# Altium PCB PexCardVer0.1.PcbDoc (part 2 of 3)
Units mil, origin at the board's own origin, x right, y up, seen from the top; angles counter-clockwise.
Board outline 5943.76 x 1774.48 mil, 4 copper layers (Top Layer, Layer 1, Layer 2, Bottom Layer), stack 62.337 mil thick; 70 components, 137 nets, 677 pads, 468 vias.
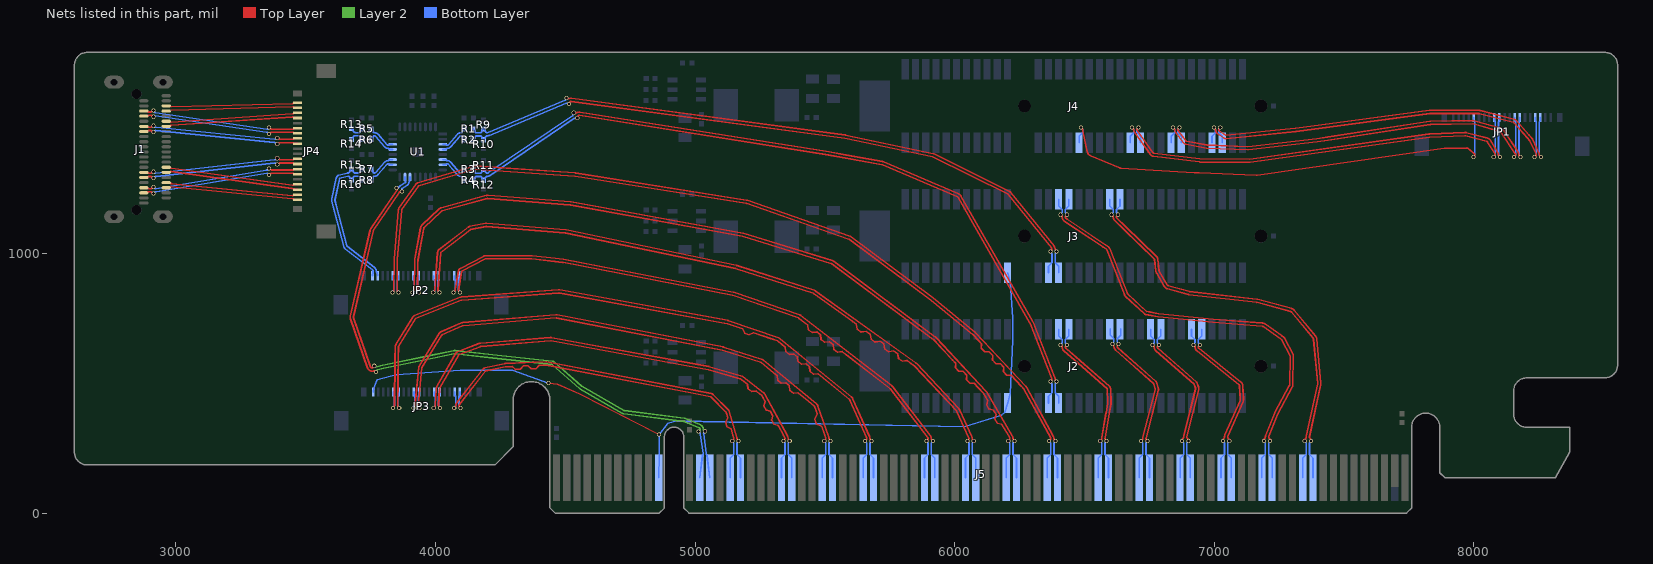
[diagram p4: the nets of this part, all layers, seen from the top]

## Via types
v1: diameter 15.75, hole 11.81, Top Layer to Bottom Layer, tented both sides, 468 vias

## Nets (pads, with @x,y where several pads share a name; then routed paths per layer and width w, separated by ;. In a path a pad name is that pad's centre, name@x,y a point inside that pad or via, vN(x,y) a via of type N, cw(c..) or ccw(c..) an arc to the next point about the centre after c; other vN are vias at no path point) (continued)
NVME_TX0_P: J4.A16 JP1.16 | length 1862.2
  Top Layer w6.38: v1(6486.64,1485.68) 6490.79,1481.5 cw(c6486.27,1477) 6492.65,1477 ccw(c6511.41,1477) 6493.09,1472.96 6511.28,1390.52 ccw(c6529.6,1394.56) 6522.3,1377.28 6634.21,1330 ccw(c6641.47,1347.3) 6640.26,1328.58 6640.32,1328.58 ; 6640.35,1328.58 6923.24,1311.55 ; 6923.29,1311.54 ccw(c6923.99,1323.9) 6923.44,1311.54 6942.42,1310.69 7162.12,1300.91 ccw(c7162.91,1319.65) 7165.6,1301.09 7885.97,1405.37 ; 7885.98,1405.37 7972.4,1406.25 cw(c7972.47,1399.87) 7976.5,1404.82 8001.09,1384.58 cw(c7997.01,1379.68) 8001.53,1375.18 v1(7997.37,1371)
  Bottom Layer w6.38: J4.A16@6479.16,1426.27 6479.16,1451.86 6492.65,1465.35 6492.65,1477.26 6486.64,1483.27 v1(6486.64,1485.68) ; v1(7997.37,1371) 7997.37,1373.41 8003.39,1379.42 8003.39,1507.06 7999.73,1510.7 JP1.16@7999.73,1523.5
NVME_TX1_N: J4.A22 JP1.11 | length 1733.1
  Top Layer w6.38: v1(6707.9,1485.68) 6703.74,1481.5 ccw(c6708.26,1477) 6703.06,1473.31 6762.58,1389.28 ccw(c6767.78,1392.96) 6766.98,1386.64 6943.67,1365.04 ccw(c6944.42,1371.38) 6944.34,1365 7135.82,1363.26 ccw(c7135.86,1369.64) 7136.75,1363.33 7827.06,1460.22 cw(c7829.66,1441.64) 7828.57,1460.37 cw(c7829.34,1448.01) 7828.8,1460.38 7964.54,1466.32 cw(c7965.36,1447.58) 7969.86,1465.79 cw(c7966.92,1453.76) 7970.03,1465.74 8051.21,1444.71 cw(c8046.45,1426.56) 8062.24,1436.7 cw(c8051.84,1429.98) 8062.34,1436.54 8091.62,1389.67 8091.65,1389.62 cw(c8075.74,1379.68) 8094.51,1379.68 ccw(c8100.89,1379.68) 8096.36,1375.18 v1(8100.52,1371)
  Bottom Layer w6.38: v1(6707.9,1485.68) 6707.9,1483.27 6701.88,1477.26 6701.88,1465.35 6715.38,1451.86 J4.A22@6715.38,1426.27 ; JP1.11@8098.15,1523.5 8098.15,1510.7 8094.51,1507.06 8094.51,1379.42 8100.52,1373.41 v1(8100.52,1371)
NVME_TX1_P: J4.A21 JP1.12 | length 1733.1
  Top Layer w6.38: v1(6683.49,1485.68) 6687.64,1481.5 cw(c6683.12,1477) 6689.5,1477 ccw(c6708.26,1477) 6692.95,1466.16 6752.47,1382.12 ccw(c6767.78,1392.96) 6765.48,1374.35 6942.19,1352.75 ccw(c6944.42,1371.38) 6944.25,1352.62 7135.72,1350.88 ; 7135.73,1350.88 ccw(c7135.86,1369.64) 7138.47,1351.07 7828.78,1447.96 cw(c7829.66,1441.64) 7829.34,1448.01 7965.08,1453.95 cw(c7965.36,1447.58) 7966.92,1453.76 8048.05,1432.74 cw(c8046.45,1426.56) 8051.84,1429.98 8081.13,1383.09 ; v1(8076.11,1371) 8080.27,1375.18 ccw(c8075.74,1379.68) 8081.16,1383.06
  Bottom Layer w6.38: J4.A21@6676.01,1426.27 6676.01,1451.86 6689.5,1465.35 6689.5,1477.26 6683.49,1483.27 v1(6683.49,1485.68) ; v1(8076.11,1371) 8076.11,1373.41 8082.12,1379.42 8082.12,1507.06 8078.48,1510.7 JP1.12@8078.48,1523.5
NVME_TX2_N: J4.A26 JP1.7 | length 1650.5
  Top Layer w6.38: v1(6865.38,1485.68) 6861.22,1481.5 ccw(c6865.74,1477) 6860.67,1473.13 6889.77,1435.03 ccw(c6894.84,1438.9) 6893.65,1432.63 6971.93,1417.95 7128.92,1411.69 7394.95,1442.28 7436.21,1448.63 7829.78,1509.17 cw(c7832.63,1490.63) 7832.02,1509.38 cw(c7832.46,1497.01) 7832.24,1509.39 7994.84,1512.35 cw(c7995.19,1493.6) 8000.21,1511.67 cw(c7996.92,1499.73) 8000.34,1511.63 8103.53,1481.97 cw(c8098.35,1463.94) 8113.82,1474.55 cw(c8103.64,1467.51) 8113.94,1474.38 8170.05,1390.16 8170.13,1390.02 cw(c8154.48,1379.68) 8173.24,1379.68 ccw(c8179.62,1379.68) 8175.1,1375.18 v1(8179.26,1371)
  Bottom Layer w6.38: v1(6865.38,1485.68) 6865.38,1483.27 6859.36,1477.26 6859.36,1465.35 6872.86,1451.86 J4.A26@6872.86,1426.27 ; JP1.7@8176.9,1523.5 8176.9,1510.7 8173.24,1507.06 8173.24,1379.42 8179.26,1373.41 v1(8179.26,1371)
NVME_TX2_P: J4.A25 JP1.8 | length 1650.5
  Top Layer w6.38: v1(6840.97,1485.68) 6845.12,1481.5 cw(c6840.6,1477) 6846.98,1477 ccw(c6865.74,1477) 6850.83,1465.62 6879.93,1427.51 ccw(c6894.84,1438.9) 6891.33,1420.47 6969.65,1405.79 ; 6969.69,1405.78 ccw(c6971.93,1417.95) 6971.44,1405.58 7128.38,1399.32 ccw(c7128.92,1411.69) 7130.27,1399.39 ccw(c7128.92,1411.69) 7130.33,1399.39 7396.32,1429.98 ccw(c7394.96,1442.28) 7396.77,1430.04 ccw(c7394.96,1442.28) 7396.84,1430.05 7438.09,1436.39 7831.63,1496.93 cw(c7832.63,1490.63) 7832.46,1497.01 7995.07,1499.97 cw(c7995.19,1493.6) 7996.92,1499.73 8100.11,1470.07 cw(c8098.35,1463.94) 8103.64,1467.51 8159.77,1383.25 ; v1(8154.85,1371) 8159.01,1375.18 ccw(c8154.48,1379.68) 8159.79,1383.21
  Bottom Layer w6.38: J4.A25@6833.49,1426.27 6833.49,1451.86 6846.98,1465.35 6846.98,1477.26 6840.97,1483.27 v1(6840.97,1485.68) ; v1(8154.85,1371) 8154.85,1373.41 8160.86,1379.42 8160.86,1507.06 8157.22,1510.7 JP1.8@8157.22,1523.5
NVME_TX3_N: J4.A30 JP1.3 | length 1574.2
  Top Layer w6.38: v1(7022.86,1485.68) 7018.7,1481.5 ccw(c7023.22,1477) 7017.29,1474.65 ccw(c7023.22,1477) 7019.58,1471.76 7043.82,1454.93 7311.81,1482.13 7313.56,1482.31 7828.94,1551.21 cw(c7831.42,1532.62) 7831.42,1551.38 ; 7831.43,1551.38 8019.23,1551.37 cw(c8019.23,1532.61) 8023.68,1550.84 cw(c8020.78,1538.8) 8023.85,1550.79 8154.18,1517.46 cw(c8149.53,1499.28) 8163.5,1511.8 cw(c8154.3,1503.51) 8163.61,1511.68 8211.9,1456.62 8224.73,1441.98 cw(c8215.43,1433.82) 8226.68,1438.98 8250.26,1387.53 cw(c8233.23,1379.68) 8251.99,1379.68 ccw(c8258.36,1379.68) 8253.84,1375.18 v1(8258,1371)
  Bottom Layer w6.38: v1(7022.86,1485.68) 7022.86,1483.27 7016.84,1477.26 7016.84,1465.35 7030.34,1451.86 J4.A30@7030.34,1426.27 ; JP1.3@8255.64,1523.5 8255.64,1510.7 8251.99,1507.06 8251.99,1379.42 8258,1373.41 v1(8258,1371)
NVME_TX3_P: J4.A29 JP1.4 | length 1574.2
  Top Layer w6.38: v1(6998.45,1485.68) 7002.61,1481.5 cw(c6998.08,1477) 7004.46,1477 ccw(c7023.22,1477) 7005.78,1470.09 ccw(c7023.22,1477) 7012.52,1461.59 7036.76,1444.76 ccw(c7043.82,1454.93) 7043.82,1442.55 ccw(c7043.82,1454.93) 7045.07,1442.61 7314.79,1469.99 ccw(c7313.57,1482.31) 7315.22,1470.04 7830.58,1538.94 cw(c7831.42,1532.62) 7831.4,1539 8019.23,1538.99 cw(c8019.23,1532.61) 8020.78,1538.8 8151.11,1505.46 cw(c8149.53,1499.28) 8154.3,1503.51 8204.77,1445.97 8215.43,1433.82 8239.01,1382.36 cw(c8233.23,1379.68) 8237.75,1375.18 v1(8233.59,1371)
  Bottom Layer w6.38: J4.A29@6990.97,1426.27 6990.97,1451.86 7004.46,1465.35 7004.46,1477.26 6998.45,1483.27 v1(6998.45,1485.68) ; v1(8233.59,1371) 8233.59,1373.41 8239.6,1379.42 8239.6,1507.06 8235.95,1510.7 JP1.4@8235.95,1523.5
PER0_N: J1.B4 JP4.19 | length 488.1
  Top Layer w6.38: 2982.22,1552.3 3450.21,1564.97 cw(c3450.41,1558.6) 3454.97,1563.06 JP4.19@3469.5,1561.33
PER0_P: J1.B3 JP4.20 | length 488.4
  Top Layer w6.38: 2981.9,1564.67 3449.9,1577.35 cw(c3450.41,1558.6) 3450.41,1577.36 ccw(c3450.41,1583.73) 3454.97,1579.27 JP4.20@3469.5,1581.01
PER1_N: J1.A4 JP4.14 | length 608.5
  Top Layer w6.38: J1.A4@2877.35,1528.95 2890.73,1528.95 2894.39,1532.61 2905.58,1532.61 2911.59,1526.59 v1(2914,1526.59) ; v1(3360,1460.54) 3362.41,1460.54 3368.42,1466.55 3453.05,1466.55 3456.7,1462.89 JP4.14@3469.5,1462.89
  Bottom Layer w6.38: v1(2914,1526.59) 2914.5,1527.38 cw(c2919.89,1523.97) 2920.68,1530.3 2920.76,1530.29 3348.57,1466.75 ccw(c3351.32,1485.31) 3351.32,1466.55 cw(c3351.32,1460.17) 3355.82,1464.69 v1(3360,1460.54)
PER1_P: J1.A3 JP4.15 | length 610.9
  Top Layer w6.38: J1.A3@2877.35,1548.64 2890.73,1548.64 2894.39,1544.99 2905.58,1544.99 2911.59,1551 v1(2914,1551) ; v1(3360,1484.94) 3362.41,1484.94 3368.42,1478.93 3453.05,1478.93 3456.7,1482.59 JP4.15@3469.5,1482.59
  Bottom Layer w6.38: v1(2914,1551) 2918.49,1544.99 ccw(c2923.59,1548.84) 2922.52,1542.55 2922.58,1542.54 3350.39,1479 ccw(c3351.32,1485.31) 3355.82,1480.79 v1(3360,1484.94)
PER2_N: J1.A16 JP4.8 | length 607.5
  Top Layer w6.38: J1.A16@2877.35,1292.73 2890.73,1292.73 2894.39,1296.38 2905.58,1296.38 2911.59,1290.37 v1(2914,1290.37) ; v1(3391,1342.43) 3393.41,1342.43 3399.42,1348.44 3453.05,1348.44 3456.7,1344.79 JP4.8@3469.5,1344.79
  Bottom Layer w6.38: v1(2914,1290.37) 2918.18,1294.53 cw(c2922.68,1290) 2922.68,1296.38 ccw(c2922.68,1315.14) 2924.75,1296.5 3381.58,1348.4 cw(c3382.32,1342.06) 3386.82,1346.58 v1(3391,1342.43)
PER2_P: J1.A15 JP4.9 | length 607.5
  Top Layer w6.38: J1.A15@2877.35,1312.42 2890.73,1312.42 2894.39,1308.76 2905.58,1308.76 2911.59,1314.78 v1(2914,1314.78) ; v1(3391,1366.83) 3393.41,1366.83 3399.42,1360.82 3453.05,1360.82 3456.7,1364.47 JP4.9@3469.5,1364.47
  Bottom Layer w6.38: v1(2914,1314.78) 2918.19,1310.61 ccw(c2922.68,1315.14) 2923.38,1308.8 3380.21,1360.7 cw(c3382.32,1342.06) 3382.32,1360.82 ccw(c3382.32,1367.2) 3386.82,1362.68 v1(3391,1366.83)
PER3_N: J1.B16 JP4.3 | length 512.4
  Top Layer w6.38: J1.B16@2963.57,1312.42 2975.38,1312.42 2977.29,1314.27 cw(c2981.73,1309.69) 2982.64,1316 3447.78,1250.2 ccw(c3450.41,1268.78) 3447.84,1250.19 ccw(c3450.41,1268.78) 3450.41,1250.02 cw(c3450.41,1243.63) 3454.97,1248.1 JP4.3@3469.5,1246.37
PER3_P: J1.B15 JP4.4 | length 512.4
  Top Layer w6.38: J1.B15@2963.57,1332.1 2975.38,1332.1 2977.3,1330.23 ccw(c2981.73,1334.83) 2981.73,1328.45 cw(c2981.73,1309.69) 2984.38,1328.26 3449.51,1262.46 ; 3449.54,1262.46 ccw(c3450.41,1268.78) 3454.97,1264.31 JP4.4@3469.5,1266.05
PERST#: J2.A11 J3.A11 J5.A11 JP3.20 | length 3267
  Top Layer w6: v1(4436,501) 4470.82,496.64 4554.15,459.92 v1(4861.62,303)
  Bottom Layer w6: JP3.20@3759.99,466.5 3761.92,481.22 3773.86,511.14 3776.49,513.77 3826.68,526.65 3850.03,532.64 4096.23,551 4296.98,550.65 v1(4436,501) ; J5.A11@4860.34,136.08 4861.62,223.08 v1(4861.62,303) 4895.29,345.87 4931.69,355.01 6036.95,332.3 6180.88,377.9 6192.79,387.9 J2.A11@6203.57,424.27 6214.35,460.64 6224.35,665.46 6224.35,750 6214.35,888.9 J3.A11@6203.57,925.27
PET0_N: J1.B7 JP4.17 | length 508.9
  Top Layer w6.38: J1.B7@2963.57,1489.58 2975.38,1489.58 2977.29,1491.43 cw(c2981.73,1486.86) 2981.73,1493.24 ccw(c2981.73,1512) 2983.02,1493.28 3449.97,1525.59 cw(c3450.41,1519.22) 3454.97,1523.69 JP4.17@3469.5,1521.95
PET0_P: J1.B6 JP4.18 | length 508.9
  Top Layer w6.38: J1.B6@2963.57,1509.27 2975.38,1509.27 2977.29,1507.42 ccw(c2981.73,1512) 2982.17,1505.63 3449.02,1537.93 3449.12,1537.94 cw(c3450.41,1519.22) 3450.41,1537.98 ccw(c3450.41,1544.37) 3454.97,1539.9 JP4.18@3469.5,1541.63
PET1_N: J1.A7 JP4.12 | length 606.9
  Top Layer w6.38: J1.A7@2877.35,1469.9 2890.73,1469.9 2894.39,1473.55 2905.58,1473.55 2911.59,1467.54 v1(2914,1467.54) ; v1(3391,1421.17) 3393.41,1421.17 3399.42,1427.18 3453.05,1427.18 3456.7,1423.53 JP4.12@3469.5,1423.53
  Bottom Layer w6.38: v1(2914,1467.54) 2918.18,1471.69 cw(c2922.68,1467.17) 2923.28,1473.52 3380.44,1427.28 ccw(c3382.32,1445.94) 3382.32,1427.18 cw(c3382.32,1420.8) 3386.82,1425.32 v1(3391,1421.17)
PET1_P: J1.A6 JP4.13 | length 606.9
  Top Layer w6.38: J1.A6@2877.35,1489.58 2890.73,1489.58 2894.39,1485.93 2905.58,1485.93 2911.59,1491.94 v1(2914,1491.94) ; v1(3391,1445.57) 3393.41,1445.57 3399.42,1439.56 3453.05,1439.56 3456.7,1443.21 JP4.13@3469.5,1443.21
  Bottom Layer w6.38: v1(2914,1491.94) 2918.19,1487.78 ccw(c2922.68,1492.31) 2922.68,1485.93 cw(c2922.68,1467.17) 2924.57,1485.83 3381.68,1439.59 ccw(c3382.32,1445.94) 3386.82,1441.42 v1(3391,1445.57)
PET2_N: J1.A19 JP4.6 | length 610.6
  Top Layer w6.38: J1.A19@2877.35,1233.68 2890.73,1233.68 2894.39,1237.33 2905.58,1237.33 2911.59,1231.32 v1(2914,1231.32) ; v1(3360,1303.06) 3362.41,1303.06 3368.42,1309.07 3453.05,1309.07 3456.7,1305.41 JP4.6@3469.5,1305.41
  Bottom Layer w6.38: v1(2914,1231.32) 2918.18,1235.47 cw(c2922.68,1230.95) 2922.68,1237.33 ccw(c2922.68,1256.09) 2925.75,1237.58 3350.3,1308.99 cw(c3351.32,1302.69) 3355.82,1307.21 v1(3360,1303.06)
PET2_P: J1.A18 JP4.7 | length 610.6
  Top Layer w6.38: J1.A18@2877.35,1253.36 2890.73,1253.36 2894.39,1249.71 2905.58,1249.71 2911.59,1255.72 v1(2914,1255.72) ; v1(3360,1327.46) 3362.41,1327.46 3368.42,1321.45 3453.05,1321.45 3456.7,1325.11 JP4.7@3469.5,1325.11
  Bottom Layer w6.38: v1(2914,1255.72) 2918.19,1251.55 ccw(c2922.68,1256.09) 2923.71,1249.79 3348.21,1321.19 cw(c3351.32,1302.69) 3351.32,1321.45 ccw(c3351.32,1327.83) 3355.82,1323.31 v1(3360,1327.46)
PET3_N: J1.B19 JP4.1 | length 510.1
  Top Layer w6.38: J1.B19@2963.57,1253.36 2975.38,1253.36 2977.29,1255.21 cw(c2981.73,1250.63) 2982.28,1256.99 cw(c2981.73,1250.63) 2982.35,1256.98 3448.56,1210.74 ccw(c3450.41,1229.4) 3450.41,1210.64 cw(c3450.41,1204.27) 3454.97,1208.73 JP4.1@3469.5,1206.99
PET3_P: J1.B18 JP4.2 | length 510.1
  Top Layer w6.38: J1.B18@2963.57,1273.05 2975.38,1273.05 2977.29,1271.19 ccw(c2981.73,1275.77) 2981.73,1269.39 cw(c2981.73,1250.63) 2983.53,1269.31 cw(c2981.73,1250.63) 2983.58,1269.3 3449.78,1223.06 ccw(c3450.41,1229.4) 3454.97,1224.94 JP4.2@3469.5,1226.67
REFCLK_1_cap_N: R1.2 U1.3 | length 113.4
  Bottom Layer w6.38: U1.3@4028.5,1420.54 U1.3@4039.82,1420.54 ; U1.3@4039.83,1420.51 ccw(c4045.59,1423.26) 4050.43,1419.11 4084.25,1458.63 cw(c4098.5,1446.43) 4098.5,1465.19 ccw(c4098.5,1471.57) 4104.88,1471.57 4104.88,1473.35 R1.2@4111.54,1480
REFCLK_1_cap_P: R2.2 U1.4 | length 113.4
  Bottom Layer w6.38: U1.4@4028.5,1400.85 4039.82,1400.85 cw(c4045.59,1398.12) 4045.59,1404.5 ccw(c4045.59,1423.26) 4059.84,1411.06 4093.66,1450.58 cw(c4098.5,1446.43) 4104.88,1446.43 4104.88,1444.65 R2.2@4111.54,1438
REFCLK_1_N: J3.A14 R1.1 R9.1 | length 2559.1
  Top Layer w6.38: v1(4505,1599) 4510.42,1596.69 ccw(c4512.92,1602.56) 4515.29,1596.63 cw(c4522.24,1579.21) 4524.74,1597.8 5578.59,1456.28 cw(c5576.94,1444.01) 5579.5,1456.12 5917.88,1384.63 cw(c5915.32,1372.51) 5920.88,1383.57 6212.17,1238.66 cw(c6206.69,1227.56) 6212.25,1238.62 cw(c6206.69,1227.56) 6216.34,1235.32 6382.74,1028.49 cw(c6368.16,1016.68) 6386.92,1016.68 ccw(c6393.3,1016.68) 6388.78,1012.18 v1(6392.94,1008)
  Bottom Layer w6.38: R1.1@4145,1480 4151.65,1473.35 4151.65,1471.57 ccw(c4158.03,1471.57) 4158.03,1465.19 4172.97,1465.19 ccw(c4172.97,1471.57) 4179.35,1471.57 4179.35,1473.35 R9.1@4186,1480 4192.65,1473.35 4192.65,1471.57 ccw(c4199.03,1471.57) 4201.49,1465.68 4498.89,1590.08 cw(c4506.13,1572.77) 4499.17,1590.2 ccw(c4496.81,1596.12) 4502.66,1593.59 v1(4505,1599) ; v1(6392.94,1008) 6392.94,1005.59 6386.92,999.58 6386.92,964.35 6400.42,950.86 J3.A14@6400.42,925.27
REFCLK_1_P: J3.A13 R2.1 R10.1 | length 2539.6
  Top Layer w6.38: v1(4514.05,1576.33) 4516.39,1581.74 cw(c4522.24,1579.21) 4523.12,1585.53 5576.94,1444.01 5915.32,1372.51 6206.69,1227.56 6373.1,1020.71 cw(c6368.16,1016.68) 6372.68,1012.18 v1(6368.53,1008)
  Bottom Layer w6.38: R2.1@4145,1438 4151.65,1444.65 4151.65,1446.43 cw(c4158.03,1446.43) 4158.03,1452.81 4172.97,1452.81 cw(c4172.97,1446.43) 4179.35,1446.43 4179.35,1444.65 R10.1@4186,1438 4192.65,1444.65 4192.65,1446.43 cw(c4199.03,1446.43) 4199.03,1452.81 ccw(c4199.03,1471.57) 4206.27,1454.26 4503.66,1578.66 cw(c4506.13,1572.77) 4508.63,1578.64 v1(4514.05,1576.33) ; J3.A13@6361.05,925.27 6361.05,950.86 6374.54,964.35 6374.54,999.58 6368.53,1005.59 v1(6368.53,1008)
REFCLK_2_cap_N: R3.2 U1.6 | length 113.7
  Bottom Layer w6.38: U1.6@4028.5,1361.46 U1.6@4039.82,1361.46 ; U1.6@4039.83,1361.44 ccw(c4045.59,1364.19) 4045.59,1357.81 cw(c4045.59,1339.05) 4059.89,1351.19 4093.64,1311.44 ccw(c4098.5,1315.57) 4104.88,1315.57 4104.88,1317.35 R3.2@4111.54,1324
REFCLK_2_cap_P: R4.2 U1.7 | length 113.7
  Bottom Layer w6.38: U1.7@4028.5,1341.78 4039.82,1341.78 cw(c4045.59,1339.05) 4050.45,1343.18 4084.2,1303.43 ccw(c4098.5,1315.57) 4098.5,1296.81 cw(c4098.5,1290.43) 4104.88,1290.43 4104.88,1288.65 R4.2@4111.54,1282
REFCLK_2_N: J2.A14 R3.1 R11.1 | length 2919.1
  Top Layer w6.38: v1(4533,1542) 4538.77,1540.79 ccw(c4540.07,1547.04) 4543.55,1541.69 cw(c4550.3,1531.31) 4543.6,1541.72 cw(c4553.78,1525.96) 4556.73,1544.49 5504.64,1393.27 ; 5504.9,1393.23 5581.14,1379.59 5722.53,1354.29 cw(c5719.23,1335.82) 5726.39,1353.16 cw(c5721.7,1341.7) 5726.56,1353.09 6015.15,1230.05 cw(c6007.79,1212.8) 6023.97,1222.3 cw(c6013.31,1216) 6024.06,1222.14 6300.83,737.68 ; 6302.05,735.34 6385.62,522.53 cw(c6368.16,515.68) 6386.92,515.68 ccw(c6393.3,515.68) 6388.78,511.18 v1(6392.94,507)
  Bottom Layer w6.38: R3.1@4145,1324 4151.65,1317.35 4151.65,1315.57 ccw(c4158.03,1315.57) 4158.03,1309.19 4172.97,1309.19 ccw(c4172.97,1315.57) 4179.35,1315.57 4179.35,1317.35 R11.1@4186,1324 4192.65,1317.35 4192.65,1315.57 ccw(c4199.03,1315.57) 4202.61,1310.29 4527.76,1530.29 ; 4527.79,1530.31 ccw(c4524.16,1535.55) 4529.83,1532.63 4530.07,1533.09 ccw(c4525.53,1537.58) 4531.77,1536.24 v1(4533,1542) ; v1(6392.94,507) 6392.94,504.59 6386.92,498.58 6386.92,463.35 6400.42,449.86 J2.A14@6400.42,424.27
REFCLK_2_P: J2.A13 R4.1 R12.1 | length 2894.7
  Top Layer w6.38: v1(4546.31,1521.54) 4547.54,1527.3 cw(c4553.78,1525.96) 4554.78,1532.26 5502.69,1381.05 5578.03,1367.57 5720.35,1342.1 ; 5721.7,1341.7 6010.27,1218.68 cw(c6007.79,1212.8) 6013.31,1216 6290.06,731.57 ccw(c6300.83,737.68) 6290.46,730.91 ccw(c6300.83,737.68) 6290.53,730.81 6374.1,518.01 cw(c6368.16,515.68) 6372.68,511.18 v1(6368.53,507)
  Bottom Layer w6.38: R4.1@4145,1282 4151.65,1288.65 4151.65,1290.43 cw(c4158.03,1290.43) 4158.03,1296.81 4172.97,1296.81 cw(c4172.97,1290.43) 4179.35,1290.43 4179.35,1288.65 R12.1@4186,1282 4192.65,1288.65 4192.65,1290.43 cw(c4199.03,1290.43) 4199.03,1296.81 ccw(c4199.03,1315.57) 4209.55,1300.03 4534.7,1520.04 cw(c4538.24,1514.73) 4535.64,1520.55 v1@4540.54,1522.74 ; J2.A13@6361.05,424.27 6361.05,449.86 6374.54,463.35 6374.54,498.58 6368.53,504.59 v1(6368.53,507)
REFCLK_3_cap_N: R5.2 U1.22 | length 113.8
  Bottom Layer w6.38: R5.2@3752.14,1480.2 3758.8,1473.55 3758.8,1471.87 ccw(c3765.18,1471.87) 3765.18,1465.49 cw(c3765.18,1446.73) 3779.42,1458.94 3813.57,1419.11 ccw(c3818.41,1423.26) 3824.18,1420.53 U1.22@3835.5,1420.54
REFCLK_3_cap_P: R6.2 U1.21 | length 113.8
  Bottom Layer w6.38: R6.2@3752.14,1438.4 3758.8,1445.05 3758.8,1446.73 cw(c3765.18,1446.73) 3770.02,1450.88 3804.17,1411.05 ccw(c3818.41,1423.26) 3818.41,1404.5 cw(c3818.41,1398.12) U1.21@3824.17,1400.86 ; U1.21@3824.18,1400.85 U1.21@3835.5,1400.85
REFCLK_3_N: R5.1 R13.1 | length 57.9
  Bottom Layer w6.38: R13.1@3677,1481 3683.65,1474.35 3683.65,1472.57 ccw(c3690.03,1472.57) 3690.03,1466.19 cw(c3690.03,1447.43) 3690.91,1466.17 3705.35,1465.5 ccw(c3705.65,1471.87) 3712.03,1471.87 3712.03,1473.55 R5.1@3718.68,1480.2
REFCLK_3_P: R6.1 R14.1 | length 57.9
  Bottom Layer w6.38: R14.1@3677,1439 3683.65,1445.65 3683.65,1447.43 cw(c3690.03,1447.43) 3690.33,1453.8 3704.77,1453.13 ccw(c3705.65,1471.87) 3705.65,1453.11 cw(c3705.65,1446.73) 3712.03,1446.73 3712.03,1445.05 R6.1@3718.68,1438.4
REFCLK_4_cap_N: R7.2 U1.19 | length 113.1
  Bottom Layer w6.38: R7.2@3752.14,1324.8 3758.8,1318.15 3758.8,1316.47 ccw(c3765.18,1316.47) 3769.97,1312.26 3804.31,1351.42 cw(c3818.41,1339.05) 3818.41,1357.81 ccw(c3818.41,1364.19) 3824.18,1361.46 U1.19@3835.5,1361.46
REFCLK_4_cap_P: R8.2 U1.18 | length 113.1
  Bottom Layer w6.38: R8.2@3752.14,1283 3758.8,1289.65 3758.8,1291.33 cw(c3765.18,1291.33) 3765.18,1297.71 ccw(c3765.18,1316.47) 3779.28,1304.1 3813.62,1343.26 cw(c3818.41,1339.05) U1.18@3824.17,1341.79 ; U1.18@3824.18,1341.78 U1.18@3835.5,1341.78
REFCLK_4_N: JP2.20 R7.1 R15.1 | length 570.4
  Bottom Layer w6.38: R7.1@3718.68,1324.8 3712.03,1318.15 3712.03,1316.47 cw(c3705.65,1316.47) 3705.62,1310.09 3690.19,1310.19 ccw(c3690.03,1291.43) 3690.03,1310.19 cw(c3690.03,1316.57) 3683.65,1316.57 3683.65,1318.35 R15.1@3677,1325 3670.35,1318.35 3670.35,1316.57 cw(c3663.97,1316.57) 3663.97,1310.19 ccw(c3663.97,1291.43) 3659.41,1309.63 3628.05,1301.77 ccw(c3631.06,1289.76) 3618.96,1292.37 3601.22,1210.09 ccw(c3619.56,1206.14) 3601.41,1201.38 3607.07,1179.61 3646.56,1027.64 ccw(c3664.72,1032.36) 3653.29,1017.48 3757.33,937.57 cw(c3753.43,932.53) 3759.8,932.22 3759.62,928.53 JP2.20@3757.89,914
REFCLK_4_P: JP2.19 R8.1 R16.1 | length 552.4
  Bottom Layer w6.38: R8.1@3718.68,1283 3712.03,1289.65 3712.03,1291.33 ccw(c3705.65,1291.33) 3705.65,1297.71 cw(c3705.65,1316.47) 3705.55,1297.71 3690.07,1297.81 ccw(c3690.03,1291.43) 3683.65,1291.43 3683.65,1289.65 R16.1@3677,1283 3670.35,1289.65 3670.35,1291.43 ccw(c3663.97,1291.43) 3662.4,1297.62 3631.06,1289.76 3613.32,1207.48 ccw(c3619.56,1206.14) 3613.39,1204.51 3618.43,1185.11 3658.54,1030.76 ccw(c3664.72,1032.36) 3660.83,1027.3 3764.86,947.4 cw(c3753.43,932.53) 3772.19,932.53 ccw(c3778.57,932.53) 3775.84,926.76 JP2.19@3777.57,914
REFCLK_N: J5.A14 U1.14 | length 2373.2
  Top Layer w6.38: v1(3764.68,567.58) 3761.72,562.48 cw(c3756.21,565.68) 3750.18,563.59 3684.66,752.51 cw(c3690.68,754.6) 3684.47,756.03 3760.45,1086.04 cw(c3766.67,1084.61) 3761.37,1088.16 3861.32,1235.45 ; 3861.35,1235.49 cw(c3866.63,1231.91) 3865.41,1238.17 v1(3871.2,1239.29)
  Layer 2 w6.38: v1(3764.68,567.58) 3769.79,564.64 ccw(c3772.97,570.18) 3774.62,564.01 ; 3774.66,564.03 3796.66,569.92 cw(c3801.51,551.8) 3797.52,570.13 cw(c3800.19,558.04) 3797.7,570.17 3988.63,609.31 4069.61,625.92 cw(c4073.38,607.54) 4075,626.23 cw(c4074,613.89) 4075.35,626.2 4221.64,610.14 4450.93,584.97 cw(c4449.58,572.66) 4457.73,581.98 4563.55,489.39 ccw(c4567.74,494.21) 4564.51,488.7 ; 4564.53,488.69 4724.46,395.92 ccw(c4727.65,401.45) 4726.82,395.12 ; 4726.84,395.12 4959.38,365.49 cw(c4957.01,346.88) 4964.23,364.2 cw(c4959.51,352.76) 4964.42,364.12 5020.53,339.85 cw(c5013.09,322.64) 5031.81,323.82 ccw(c5038.18,324.23) 5033.95,319.45 v1(5038.36,315.55)
  Bottom Layer w6.38: v1(3871.2,1239.29) 3870.1,1245.08 cw(c3876.37,1246.27) 3873.18,1251.79 3889.42,1261.16 ccw(c3880.05,1277.41) 3898.81,1277.41 cw(c3905.19,1277.41) 3902.47,1283.18 U1.14@3902.47,1294.5 ; v1(5038.36,315.55) 5034.48,311.12 ccw(c5039.27,306.91) 5032.96,306.02 5043.51,230.69 cw(c5024.93,228.09) 5043.69,228.09 ccw(c5050.07,228.09) J5.A14@5046.36,222.9 ; J5.A14@5046.38,222.89 J5.A14@5057.19,136.08
REFCLK_P: J5.A13 U1.15 | length 2373.2
  Top Layer w6.38: v1(3771,544) 3765.89,546.93 ccw(c3762.71,541.4) 3761.06,547.56 cw(c3756.21,565.68) 3738.48,559.53 3672.96,748.45 cw(c3690.68,754.6) 3672.4,758.81 3748.39,1088.82 cw(c3766.67,1084.61) 3751.04,1094.98 cw(c3761.37,1088.16) 3751.12,1095.11 3851.1,1242.43 ccw(c3845.83,1246.03) 3852.09,1247.21 v1(3851,1253)
  Layer 2 w6.38: v1(3771,544) 3773.96,549.1 cw(c3779.47,545.89) 3777.82,552.06 ; 3777.84,552.06 3799.86,557.96 cw(c3801.51,551.8) 3800.19,558.04 3989.89,596.93 4072.1,613.79 cw(c4073.38,607.54) 4074,613.89 4220.99,597.76 4449.58,572.66 4555.42,480.05 ccw(c4567.74,494.21) 4558.32,477.98 4718.25,385.21 ccw(c4727.65,401.45) 4725.28,382.84 4957.82,353.21 cw(c4957.01,346.88) 4959.51,352.76 5015.62,328.49 cw(c5013.09,322.64) 5019.45,323.08 ; v1(5014,314) 5017.88,318.43 ccw(c5013.09,322.64) 5019.45,323.04
  Bottom Layer w6.38: v1(3851,1253) 3856.78,1254.12 ccw(c3855.57,1260.38) 3860.83,1256.77 ; 3860.85,1256.8 cw(c3876.37,1246.27) 3867,1262.52 3883.24,1271.89 ccw(c3880.05,1277.41) U1.15@3882.79,1283.17 ; U1.15@3882.78,1283.18 U1.15@3882.78,1294.5 ; v1(5014,314) 5018.41,310.1 cw(c5014.18,305.32) 5020.55,305.72 ccw(c5039.27,306.91) 5020.7,304.31 5031.25,228.97 cw(c5024.93,228.09) 5031.31,228.09 cw(c5024.93,228.09) 5028.63,222.89 J5.A13@5017.82,136.08
RX0_N: J5.A17 JP3.4 | length 1515.1
  Top Layer w6.38: v1(4072.56,405.56) 4076.75,409.69 ccw(c4072.28,414.24) 4078.66,414.17 ; 4078.66,414.21 cw(c4091.04,414.05) 4078.66,414.27 cw(c4097.42,413.98) 4082.61,425.51 4183.27,554.84 cw(c4193.05,547.25) 4190.39,559.34 4266.07,575.98 cw(c4270.1,557.66) 4269.08,576.39 cw(c4269.8,564.03) 4269.29,576.4 4424.75,582.77 cw(c4425.27,570.41) 4427.6,582.56 5062.78,460.63 cw(c5060.47,448.47) 5069.23,457.21 5127.71,398.57 cw(c5114.42,385.32) 5132.36,390.82 cw(c5120.53,387.15) 5132.42,390.62 5161.04,292.58 cw(c5143.04,287.27) 5161.8,287.27 ccw(c5168.18,287.27) 5163.66,282.77 v1(5167.82,278.59)